# Altium PCB LimeSDR_Mini_1v0_Rounded.PcbDoc (part 4 of 5)
Units mm, origin at the board's own origin, x right, y up, seen from the top; angles counter-clockwise.
Board outline 69 x 52 mm, 8 copper layers (Top, L2, L3, L4, L5, L6, L7, Bottom), stack 1.555 mm thick; 371 components, 281 nets, 1636 pads, 782 vias.
Unrouted connection lines stored in the file: 12.
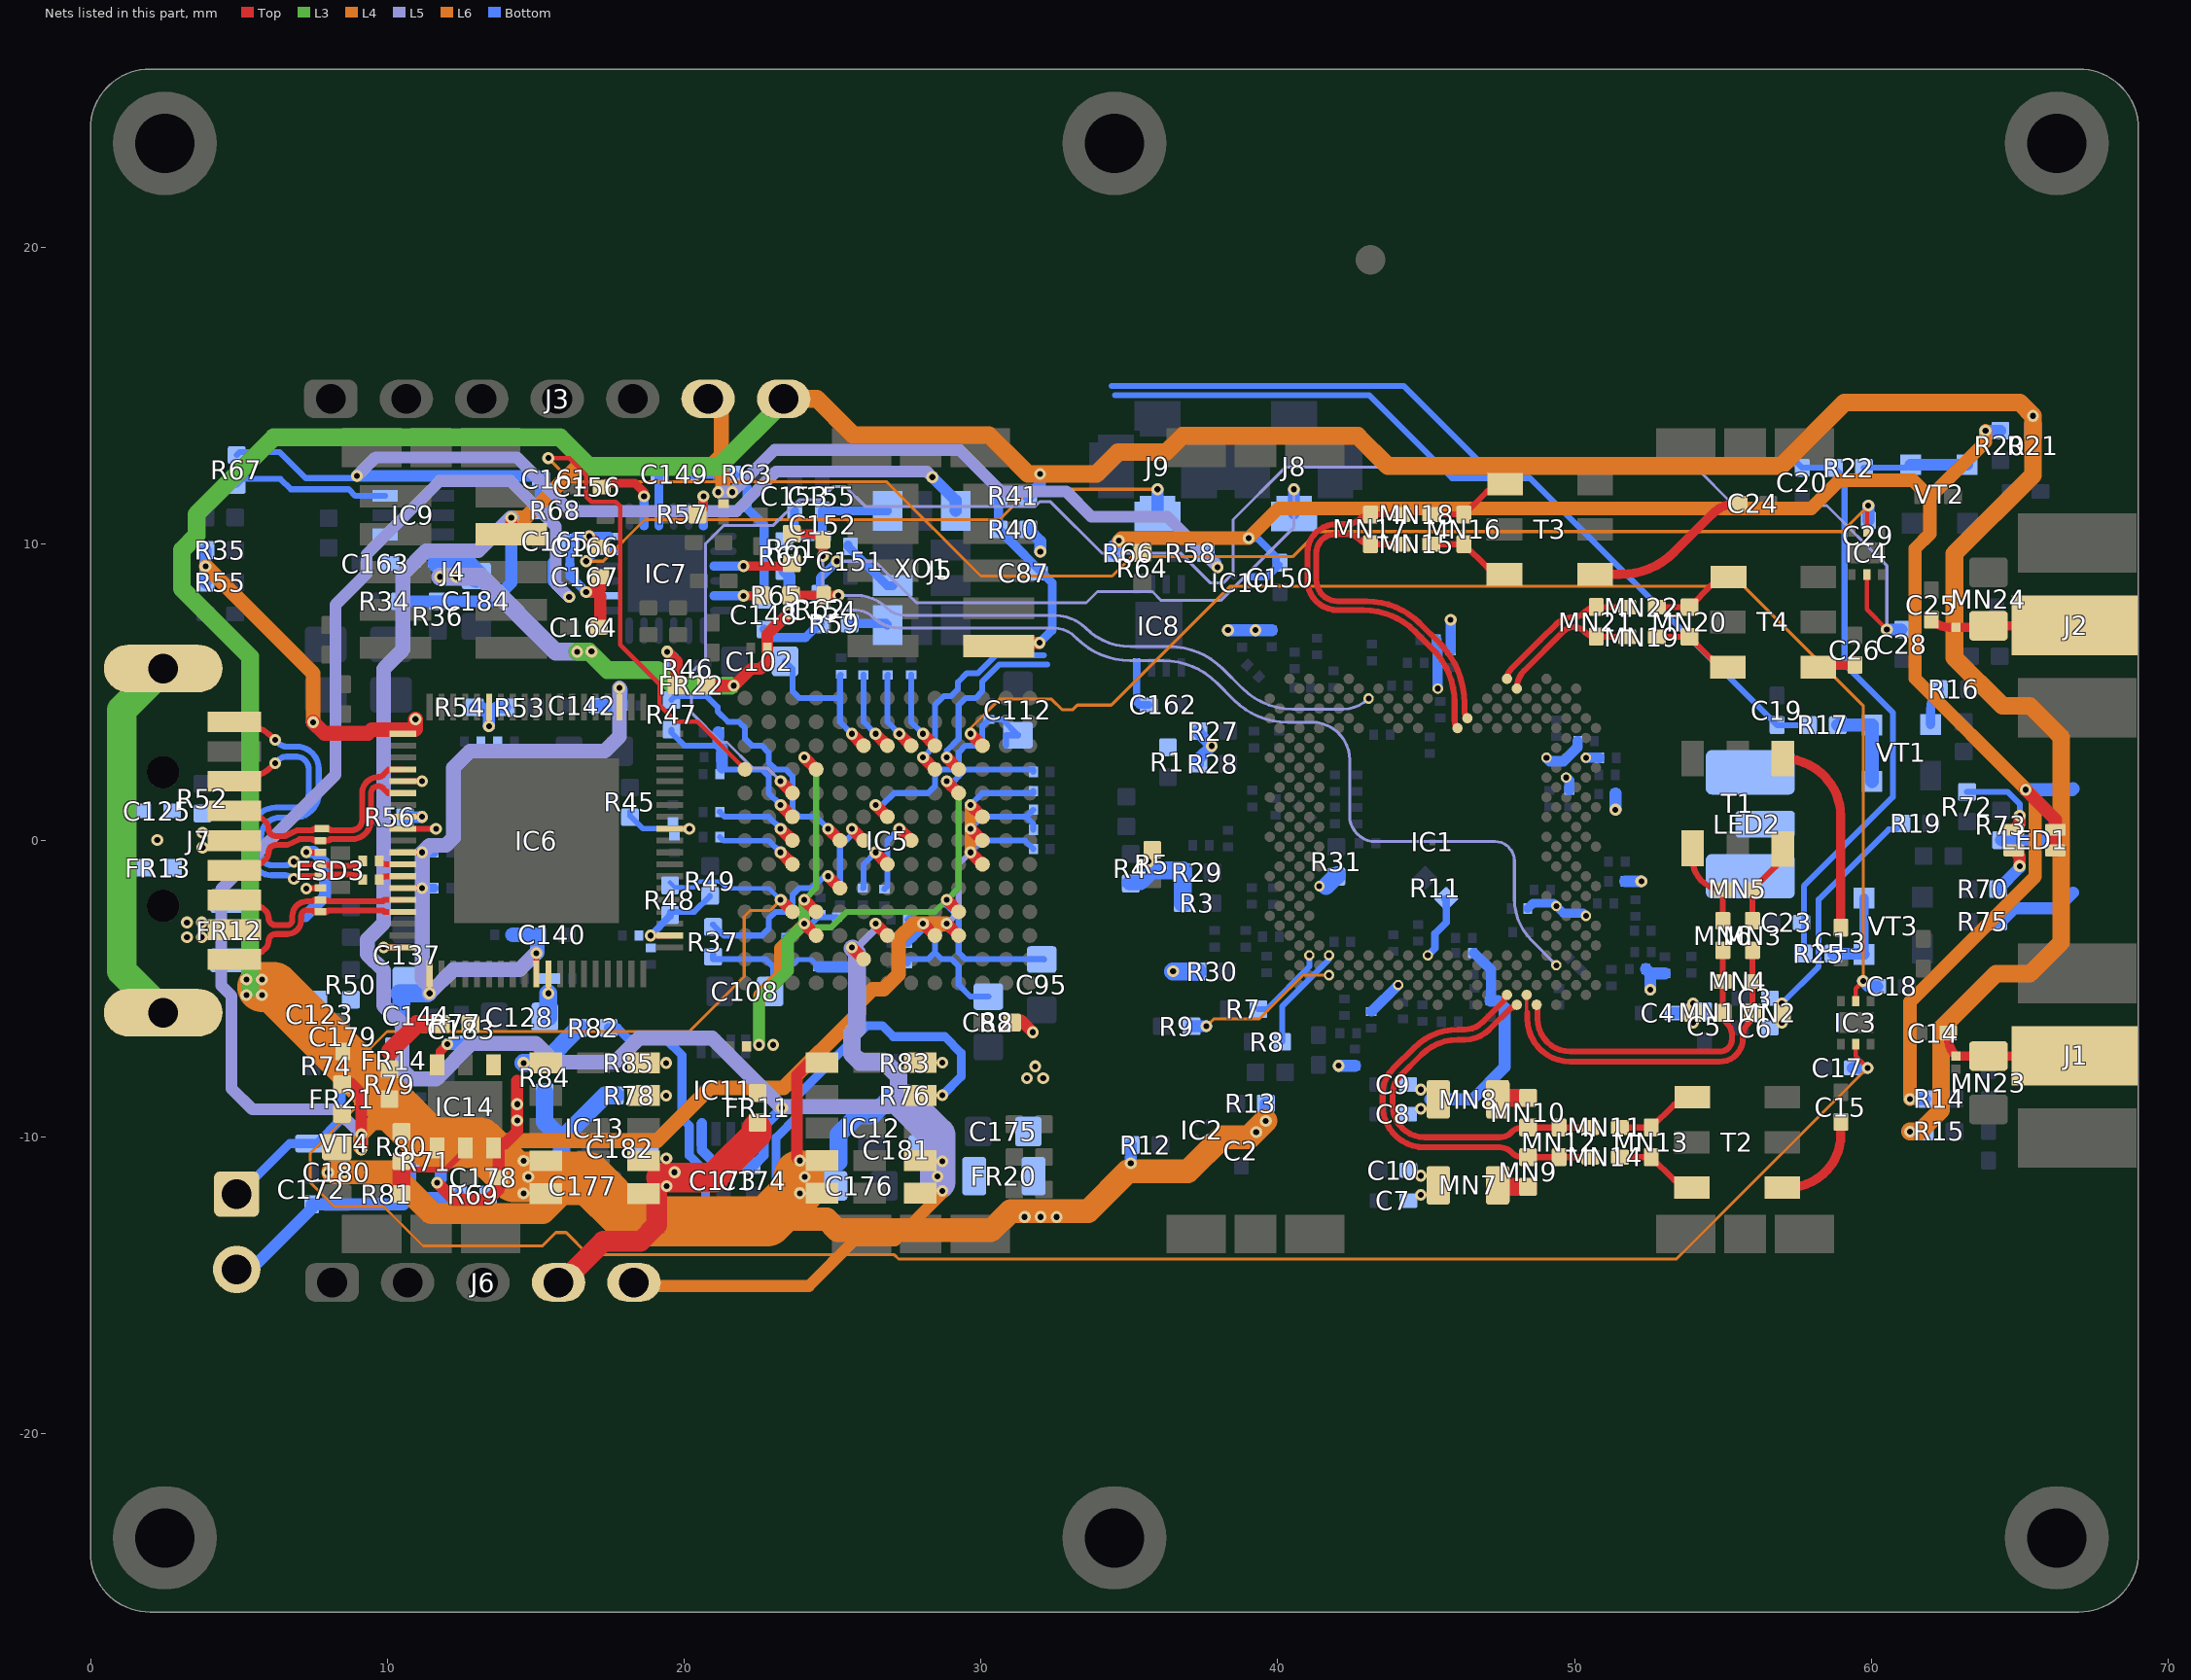
[diagram p10: the nets of this part, all layers, seen from the top]

## Via types
v1: diameter 0.4, hole 0.2, Top to Bottom, tented both sides, 548 vias
v2: diameter 0.4, hole 0.2, Top to Bottom, tented top, 113 vias
v3: diameter 0.35, hole 0.2, Top to Bottom, tented top, 87 vias
v4: diameter 0.5, hole 0.2, Top to Bottom, 25 vias
v5: diameter 0.5, hole 0.2, Top to Bottom, tented both sides, 8 vias
v6: diameter 0.35, hole 0.2, Top to Bottom, tented both sides, 1 vias

## Nets (pads, with @x,y where several pads share a name; then routed paths per layer and width w, separated by ;. In a path a pad name is that pad's centre, name@x,y a point inside that pad or via, vN(x,y) a via of type N, cw(c..) or ccw(c..) an arc to the next point about the centre after c; other vN are vias at no path point) (continued)
NetC81_1: C81.1 IC1.K2 IC1.L5 | length 2.2
  Bottom w0.3: C81.1@48.431,-2.289 48.608,-2.112 49.297,-2.112 49.63,-2.445 50.296,-2.445 v3(50.388,-2.537)
  other v3: 49.389,-2.204
NetC82_1: C82.1 IC1.C21 | length 1.3
  Bottom w0.35: C82.1@43.15,-5.76 43.169,-5.76 v3(44.061,-4.868)
NetC83_1: C83.1 IC1.AF6 | length 1.5
  Bottom w0.35: v3(49.056,2.791) 49.173,2.674 49.635,2.674 50.108,3.147 C83.1@50.108,3.357
NetC84_1: C84.1 IC1.AF2 | length 0.5
  Bottom w0.35: v3(50.388,2.791) 50.844,2.791 C84.1@50.845,2.79
NetC85_1: C85.1 IC1.AD4 | length 0.5
  Bottom w0.35: v3(49.722,2.125) 49.825,2.022 C85.1@49.825,1.695
NetC86_1: C86.1 IC1.AN17 | length 1.6
  Bottom w0.34: C86.1@45.351,6.66 C86.1@45.351,6.768 ; C86.1@45.381,6.605 45.381,5.134 v3(45.393,5.122)
NetC87_2: C87.2 J5.10 R40.2 R41.2 | length 7.3
  Top w0.4: J5.10@30.6,6.515 30.75,6.665 v1(31.975,6.665)
  Bottom w0.3: R41.2@30.594,11.606 30.594,10.496 R40.2@30.6,10.49 32.4,8.69 32.4,7.09 v1(31.975,6.665)
NetC125_1: C125.1 FR13.2 J7.10 | length 12.8
  L3 w1: J7.10@2.45,-5.8 1.05,-4.4 1.05,4.4 J7.10@2.45,5.8
NetC148_1: C148.1 C149.2 R63.2 | length 6.1
  Bottom w0.309: C149.2@20.175,12.34 R63.2@21.625,12.34 21.668,12.34 22.125,11.883 22.125,11.19 22.7,10.615 C148.1@22.7,8.115
NetC148_2: C148.2 R59.2 R62.2 | length 2.2
  Bottom w0.309: C148.2@22.7,7.115 22.975,6.84 24.09,6.84 24.568,7.318 R62.2@24.588,7.318
NetC149_1: C149.1 IC7.21 | length 1.8
  Bottom w0.3: IC7.21@19.15,10.6 IC7.21@19.15,10.925 19.15,12.315 C149.1@19.175,12.34
NetC151_2: C151.2 XO1.7 | length 2.1
  Bottom w0.3: C151.2@25.525,9.965 25.525,9.911 26.846,8.59 XO1.7@27.025,8.59
NetC153_2: C153.2 FR15.1 R60.1 | length 1.4
  Bottom w0.3: C153.2@23.725,11.115 23.725,10.265 FR15.1@24.245,10.265
NetC155_2: C155.2 FR15.2 XO1.9 | length 3.1
  Bottom w0.3: FR15.2@24.805,10.265 24.65,10.42 C155.2@24.65,11.115 XO1.9@26.85,11.115
NetC156_2: C156.2 IC7.20 | length 2.7
  Top w0.3: C156.2@17.225,11.915 17.36,12.05 18.336,12.05 18.65,11.736 v1(18.65,11.6)
  Bottom w0.3: IC7.20@18.65,10.6 IC7.20@18.65,10.925 v1(18.65,11.6)
NetC163_1: C163.1 FR17.2 IC9.4
NetC172_1: C172.1 J10.2 R69.2 R71.2 | length 9.8
  Bottom w0.4: J10.2@4.925,-14.455 5.403,-14.455 7.45,-12.408 C172.1@7.45,-12.26 10.545,-12.26 10.77,-12.035 ; R71.2@10.8,-10.835 10.77,-10.865 10.77,-12.035 ; R69.2@12.4,-11.935 12.3,-12.035 10.77,-12.035
NetC183_2: C183.2 IC14.3 | length 1.3
  Top w0.3: IC14.3@11.675,-7.56 11.775,-7.46 11.775,-7.11 v1(12.025,-6.86)
  Bottom w0.4: v1(12.025,-6.86) C183.2@12.5,-6.86
NetIC1_D28: IC1.D28 R9.1 | length 5.3
  L4 w0.1: v1(37.6,-6.257) 37.847,-6.01 39.375,-6.01 40.85,-4.535 v3(41.73,-4.535)
  Bottom w0.4: R9.1@37.1,-6.257 v1(37.6,-6.257)
NetIC1_F18: IC1.F18 R11.1 | length 2.2
  Bottom w0.25: v3(45.06,-3.869) 45.298,-3.631 45.298,-3.134 45.681,-2.751 45.681,-2.019 R11.1@45.63,-1.967
NetIC1_F28: IC1.F28 R8.1 | length 3.6
  Bottom w0.2: R8.1@40.15,-6.782 40.15,-5.585 41.73,-4.005 v3(41.73,-3.869)
NetIC1_F30: IC1.F30 R7.1 | length 2.7
  Bottom w0.2: R7.1@39.35,-5.682 39.628,-5.682 41.064,-4.246 v3(41.064,-3.869)
NetIC5_E5: IC5.E5 R37.2 | length 5.8
  Top w0.4: v2(24.85,-1.2) IC5.E5@25.25,-1.6
  Bottom w0.2: R37.2@20.975,-2.835 21.34,-3.2 22.616,-3.2 22.85,-2.966 22.85,-2.634 23.084,-2.4 23.416,-2.4 23.65,-2.166 23.65,-1.834 23.884,-1.6 24.322,-1.6 24.722,-1.2 v2(24.85,-1.2)
NetIC5_E7: IC5.E7 R47.2 | length 8.9
  Top w0.4: v2(24.85,0.4) IC5.E7@25.25,0
  Bottom w0.2: R47.2@19.575,4.74 19.7,4.865 20.766,4.865 21.125,4.506 21.125,4.359 21.484,4 21.84,4 22.05,3.79 22.05,3.434 22.284,3.2 22.616,3.2 22.85,2.966 22.85,2.634 23.084,2.4 23.416,2.4 23.65,2.166 23.65,1.034 23.884,0.8 24.45,0.8 v2(24.85,0.4)
NetIC6_27: IC6.27 R56.2 | length 1.2
  Top w0.2: IC6.27@10.525,0.8 v1(11.175,0.8)
  Bottom w0.4: R56.2@10.6,0.79 11.165,0.79 v1(11.175,0.8)
NetIC7_3: IC7.3 R61.2 | length 2.6
  Top w0.3: v1(22,9.25) 23.408,9.25 ccw(c23.408,9.557) R61.2@23.625,9.34
  Bottom w0.3: IC7.3@21,9.25 IC7.3@21.325,9.25 v1(22,9.25)
NetIC7_5: IC7.5 R65.2 | length 1.6
  Top w0.309: v1(22,8.25) 22.564,8.25 ccw(c22.564,8.301) R65.2@22.6,8.265
  Bottom w0.3: IC7.5@21,8.25 IC7.5@21.325,8.25 v1(22,8.25)
NetIC7_24: IC7.24 R57.1 | length 1.7
  Top w0.3: R57.1@20.45,10.99 20.65,11.19 v1(20.65,11.6)
  Bottom w0.3: IC7.24@20.65,10.6 IC7.24@20.65,10.925 v1(20.65,11.6)
NetIC9_6: IC9.6 R67.2 | length 5.3
  Bottom w0.2: R67.2@4.925,11.99 5.125,12.19 6.4,12.19 6.75,11.84 8.7,11.84 8.925,11.615 IC9.6@9.925,11.615
NetIC12_11: IC12.11 R83.2
  other v1: 28.701,-7.485
NetIC13_1: IC13.1 R82.1 R84.2 | length 2.4
  Bottom w0.6: v1(14.588,-7.495) 15.265,-7.495 R82.1@16.45,-6.31
NetIC13_10: IC13.10 R78.1
  other v1: 19.39,-8.595
NetIC13_11: IC13.11 R85.2
  other v1: 19.39,-7.495
NetIC14_4: IC14.4 R79.1 R80.2
NetIC14_5: IC14.5 R80.1 R81.1 | length 3.5
  Top w0.2: R80.1@10.6,-11.085 11.984,-11.085 12.625,-10.444 IC14.5@12.625,-10.36
  Top w0.6: R81.1@10.475,-11.91 R80.1@10.475,-10.81
NetJ7_7: J7.7 R52.2
  other v1: 3.775,-0.235 3.775,0.265
NetJ10_1: J10.1 R74.2 VT4.D | length 6.3
  Bottom w0.3: J10.1@4.925,-11.915 5.006,-11.915 6.711,-10.21 VT4.D@7.4,-10.21 7.625,-10.21 8.45,-9.385 R74.2@8.45,-7.61
NetLED1_3: LED1.3 R70.1 | length 1.7
  Top w0.4: LED1.3@64.8,-0.335 65,-0.535 v1(65,-0.86)
  Bottom w0.4: R70.1@64.275,-1.635 65,-0.91 v1(65,-0.86)
NetLED1_4: LED1.4 R72.1 | length 2.9
  Top w0.4: LED1.4@64.8,0.365 65,0.565 v1(65,0.84)
  Bottom w0.2: R72.1@63.225,1.64 64.598,1.64 65,1.238 v1(65,0.84)
NetLED2_C1: LED2.C1 R75.1 | length 3.1
  Bottom w0.4: R75.1@64.15,-2.735 64.375,-2.735 64.825,-2.285 66.265,-2.285 66.8,-1.75
NetLED2_C2: LED2.C2 R73.1 | length 1.9
  Bottom w0.4: R73.1@64.375,0.015 64.39,0 66.3,0
NetMN7_1: MN7.1 MN9.2 | length 1
  Top w0.6: MN7.1@47.412,-11.618 47.464,-11.67 MN9.2@48.435,-11.67
NetMN8_1: MN8.1 MN10.2 | length 1
  Top w0.6: MN8.1@47.412,-8.718 47.46,-8.67 MN10.2@48.435,-8.67
NetR16_2: R16.2 VT1.2 | length 1.3
  Bottom w0.309: VT1.2@62,3.915 62,4.408 cw(c62.982,4.408) R16.2@62.287,5.102
NetR17_1: R17.1 VT1.3 VT1.4 | length 3
  Bottom w0.45: R17.1@58.875,3.89 VT1.3@60.025,3.89 VT1.4@60.025,1.99
NetR22_2: R22.2 VT2.3 VT2.4 | length 3.5
  Bottom w0.2: R22.2@59.75,12.565 61.225,12.565 VT2.4@61.325,12.665
  Bottom w0.4: VT2.4@61.325,12.665 VT2.3@63.225,12.665
NetR25_1: R25.1 VT3.3 VT3.4 | length 2.9
  Bottom w0.309: VT3.4@59.75,-3.835 VT3.3@59.75,-1.935
  Bottom w0.4: R25.1@58.725,-3.81 59.725,-3.81 VT3.4@59.75,-3.835
NetR59_1: R59.1 XO1.6 | length 1.3
  Bottom w0.309: R59.1@25.575,7.315 26.8,7.315 XO1.6@26.85,7.265
PG_VCC1P8: IC12.10 R76.1 R82.2 | length 23.3
  Bottom w0.3: R82.2@17.45,-6.31 17.75,-6.31 18.125,-6.685 19.375,-6.685 19.925,-7.235 19.925,-9.36 20.175,-9.61 20.175,-9.91 20.175,-10.611 20.725,-11.161 20.725,-12.234 21.076,-12.585 22.574,-12.585 23.1,-12.059 23.1,-10.01 23.825,-9.285 23.825,-8.585 26.175,-6.235 26.676,-6.235 27.051,-6.61 28.787,-6.61 29.336,-7.159 29.336,-7.95 v1(28.701,-8.585)
REF_CLK_IN: J8.1 R62.1 | length 20.7
  L5 w0.1: v1(25.15,9.415) 26.425,9.415 27.825,8.015 33.55,8.015 33.925,8.39 35.775,8.39 36.075,8.09 38.075,8.09 40.55,10.565 v1(40.55,11.84)
  Bottom w0.3: R62.1@24.588,8.317 24.588,8.853 v1(25.15,9.415)
  Bottom w0.4: J8.1@40.55,11.015 v1(40.55,11.84)
REF_CLK_OUT: IC7.17 J9.1 | length 22
  L6 w0.1: v1(16.7,9.415) 17.275,9.415 18.675,10.815 30.625,10.815 31.65,11.84 v1(35.95,11.84)
  Bottom w0.25: v1(16.7,9.415) 17.035,9.75 IC7.17@17.475,9.75
  Bottom w0.4: J9.1@35.95,11.015 v1(35.95,11.84)
RFSW_RX_V1: C29.2 IC4.5 IC5.A10 | length 63
  Top w0.15: v1(15.425,12.89) 16.125,12.89 16.7,12.315 16.7,11.59 16.875,11.415 17.7,11.415 17.85,11.265 17.85,6.6 19.175,5.275 19.175,4.565 19.725,4.015 20.435,4.015 IC5.A10@22.05,2.4 ; IC4.5@59.85,10.415 v1@59.85,11.29
  L4 w0.1: v1(15.425,12.89) 16.225,12.09 26.825,12.09 30,8.915 34.425,8.915 35.075,9.565 40.5,9.565 41.35,10.415 59.025,10.415 v1(59.9,11.29)
  Bottom w0.4: C29.2@59.9,10.79 v1(59.9,11.29)
RFSW_RX_V2: C28.2 IC4.2 IC5.C9 | length 61.3
  Top w0.15: IC4.2@59.85,8.965 59.85,7.79 v1(60.525,7.115)
  Top w0.4: v2(23.25,2) IC5.C9@23.65,1.6
  L5 w0.1: v2(23.25,2) 22.81,2.44 22.315,2.44 21.44,3.315 21.24,3.315 20.25,4.305 20.25,5.67 20.725,6.145 20.725,10.015 21.325,10.615 22.992,10.615 23.867,11.49 24.59,11.49 25.025,11.925 25.44,11.925 26.1,11.265 31.825,11.265 31.975,11.415 32.35,11.415 34.075,9.69 36.72,9.69 37.72,8.69 38.175,8.69 38.5,9.015 38.5,10.815 40.275,12.59 54.075,12.59 55.375,11.29 58.5,11.29 60.525,9.265 v1(60.525,7.115)
  Bottom w0.4: v1(60.525,7.115) C28.2@61.025,7.115
RFSW_TX_V1: C18.2 IC3.5 IC5.L11 | length 45.4
  Top w0.15: IC3.5@59.475,-5.41 59.475,-4.985 v1(59.725,-4.735)
  Top w0.4: v2(29.65,3.6) IC5.L11@30.05,3.2
  L4 w0.1: v2(29.65,3.6) 29.65,3.79 30.625,4.765 32.38,4.765 32.73,4.415 33.1,4.415 33.25,4.565 34.391,4.565 38.391,8.565 55.709,8.565 59.725,4.549 v1(59.725,-4.735)
  Bottom w0.4: v1(59.725,-4.735) 59.9,-4.91 C18.2@60.2,-4.91
RFSW_TX_V2: C17.2 IC3.2 IC5.C4 R48.2 | length 85.2
  Top w0.15: IC3.2@59.475,-6.86 59.475,-7.26 v1(59.875,-7.66)
  Top w0.4: v2(23.25,-2) IC5.C4@23.65,-2.4
  L6 w0.1: v2(23.25,-2) 22.89,-2.36 22.225,-2.36 22.025,-2.56 22.025,-4.585 20.175,-6.435 9.991,-6.435 8.925,-7.501 8.925,-9.01 7.4,-10.535 7.4,-11.519 8.216,-12.335 9.875,-12.335 11.2,-13.66 15.225,-13.66 15.675,-13.21 16.025,-13.21 16.775,-13.96 27.085,-13.96 27.225,-14.1 53.435,-14.1 v1(59.875,-7.66)
  Bottom w0.15: R48.2@19.525,-1.41 19.69,-1.575 20.33,-1.575 20.52,-1.385 21.212,-1.385 21.437,-1.61 22.86,-1.61 v2(23.25,-2)
  Bottom w0.4: C17.2@59.375,-7.66 v1(59.875,-7.66)
RX: C25.2 ESD2.1 J2.1 MN24.1 | length 4.9
  Top w0.309: C25.2@62.025,7.44 62.028,7.437 ccw(c62.625,8.035) 62.625,7.19 ESD2.1@62.85,7.19 63.829,7.19 ccw(c63.829,7.361) MN24.1@63.95,7.24 66.815,7.24 ccw(c66.815,7.283) J2.1@66.845,7.252
RX1_H: C24.2 T3.4 | length 5.7
  Top w0.309: T3.4@50.69,8.97 51.553,8.97 ccw(c51.553,11.51) 53.349,9.714 54.629,10.994 cw(c55.525,10.098) C24.2@55.525,11.365
RX1_H_A_N: IC1.AJ15 MN17.1 MN18.2 | length 12.9
  Top w0.2: MN17.1@43.132,10.99 MN17.1@43.125,10.99 ; MN18.2@44.175,10.99 MN17.1@43.125,10.99 ; IC1.AJ15@46.059,3.79 cw(c46.3,4.031) 45.959,4.031 45.959,4.656 ccw(c43.394,4.656) 45.208,6.47 44.636,7.042 ccw(c42.89,5.295) 42.89,7.765 42.025,7.765 cw(c42.025,8.79) 41,8.79 41,9.69 cw(c41.97,9.69) 41.97,10.66 42.328,10.66 ccw(c42.328,11.279) 42.766,10.841 cw(c43.125,10.482) MN17.1@43.125,10.99
RX1_H_A_P: IC1.AK14 MN15.2 MN17.2 | length 12
  Top w0.2: MN15.2@44.175,9.99 MN17.2@43.125,9.99 cw(c43.125,10.498) 42.766,10.139 ccw(c42.328,9.701) 42.328,10.32 41.93,10.32 ccw(c41.93,9.69) 41.3,9.69 41.3,8.79 ccw(c42.025,8.79) 42.025,8.065 42.999,8.065 cw(c42.999,5.544) 44.782,7.327 45.448,6.66 cw(c43.411,4.623) 46.292,4.623 46.292,4.54 46.292,4.364 ccw(c46.633,4.364) IC1.AK14@46.392,4.123
RX1_H_B_N: MN16.1 MN18.1 T3.2 | length 2.8
  Top w0.2: MN18.1@45.175,10.99 MN16.1@46.225,10.99 ; MN16.1@46.275,10.99 47.033,11.748 cw(c47.665,11.117) T3.2@47.665,12.01
RX1_H_B_P: MN15.1 MN16.2 T3.1 | length 2.8
  Top w0.2: MN15.1@45.175,9.99 45.575,9.99 MN16.2@46.225,9.99 ; MN16.2@46.275,9.99 47.051,9.214 ccw(c47.64,9.803) T3.1@47.64,8.97
RX1_W: C26.2 T4.4 | length 1.3
  Top w0.309: T4.4@58.225,5.821 ccw(c58.191,5.821) T4.4@58.215,5.845 cw(c58.384,5.676) 58.384,5.915 C26.2@59.45,5.915
RX2_W_A_N: IC1.AP10 MN21.1 MN22.2 | length 5
  Top w0.2: IC1.AP10@47.739,5.47 IC1.AP10@47.724,5.455 cw(c48.147,5.455) 47.848,5.754 48.85,6.757 49.384,7.291 cw(c49.974,6.701) 49.974,7.535 ccw(c49.974,8.043) 50.333,7.684 ; 50.366,7.716 cw(c50.725,7.357) MN21.1@50.725,7.865 ; MN21.1@50.732,7.865 MN22.2@51.775,7.865
RX2_W_A_P: IC1.AN9 MN19.2 MN21.2 | length 4.8
  Top w0.2: IC1.AN9@48.072,5.137 IC1.AN9@48.057,5.122 cw(c48.928,5.122) 48.312,5.738 49.625,7.05 cw(c49.974,6.701) 49.974,7.195 cw(c49.974,6.687) 50.333,7.046 50.366,7.014 ccw(c50.725,7.373) 50.725,6.865 MN19.2@51.775,6.865
RX2_W_B_N: MN20.1 MN22.1 T4.2 | length 2.8
  Top w0.2: MN22.1@52.775,7.865 MN20.1@53.825,7.865 ; MN20.1@53.875,7.865 54.633,8.623 cw(c55.265,7.992) T4.2@55.265,8.885
RX2_W_B_P: MN19.1 MN20.2 T4.1 | length 3.2
  Top w0.2: MN19.1@52.775,6.865 53.175,6.865 MN20.2@53.825,6.865 ; MN20.2@53.875,6.865 54.633,6.107 ccw(c55.265,6.738) T4.1@55.265,5.845 ; T4.1@54.87,5.845 T4.1@55.215,5.845
RXPLL_CLK: C154.2 IC1.AM24 R65.1 | length 20.7
  Top w0.309: R65.1@23.6,8.265 C154.2@24.717,8.265 ; C154.2@24.7,8.265 v1(25.2,8.265)
  L5 w0.1: v1(25.2,8.265) 25.799,8.265 cw(c25.799,6.814) 26.825,7.84 ccw(c27.429,8.444) 27.429,7.59 32.499,7.59 cw(c32.499,6.139) 33.525,7.165 ccw(c35.034,8.674) 35.034,6.54 36.348,6.54 cw(c36.348,4) 38.144,5.796 38.806,5.134 ccw(c40.504,6.832) 40.504,4.431 42.203,4.431 ccw(c42.203,5.639) v3@43.057,4.784
  other v3: 43.062,4.789
TCXO_VC: C161.2 R67.1 R68.1 XO1.1 | length 34.3
  L5 w0.4: v1(8.975,12.29) 9.6,12.915 14.363,12.915 16.178,11.1 21.76,11.1 23.1,12.44 28.175,12.44 v1(28.365,12.25)
  Bottom w0.2: R67.1@4.925,12.99 5.025,13.09 6.375,13.09 7.25,12.215 8.9,12.215 v1(8.975,12.29)
  Bottom w0.4: v1(8.975,12.29) 15.075,12.29 C161.2@15.175,12.19 R68.1@15.175,11.14 ; v1(28.365,12.25) 29.15,11.465 XO1.1@29.15,11.115
TX: C14.2 ESD1.1 J1.1 MN23.1 | length 4.8
  Top w0.309: C14.2@62.6,-6.485 62.6,-6.656 ccw(c63.454,-6.656) ESD1.1@62.85,-7.26 MN23.1@63.95,-7.26 66.815,-7.26 ccw(c66.815,-7.217) J1.1@66.845,-7.248
TX1_1: C13.2 T1.4 | length 6.8
  Top w0.309: T1.4@57.02,2.765 cw(c57.02,0.81) 58.975,0.81 C13.2@58.975,-2.935
TX1_1_A_N: IC1.A7 MN1.1 MN4.1 MN6.2 | length 11.1
  Top w0.2: IC1.A7@48.723,-5.584 48.757,-5.618 48.757,-6.01 ccw(c49.857,-6.01) 49.857,-7.11 54.9,-7.11 ccw(c54.9,-6.706) 55.304,-6.706 55.304,-6.539 ccw(c54.796,-6.539) 55.155,-6.18 ; IC1.A7@48.723,-5.534 IC1.A7@48.758,-5.569 ; MN1.1@55,-5.99 55,-5.808 MN4.1@55,-4.75 MN6.2@55,-3.7 ; MN1.1@55.001,-5.815 ccw(c55.509,-5.815) 55.149,-6.175
TX1_1_A_P: IC1.B8 MN2.1 MN3.1 MN4.2 | length 12.3
  Top w0.11: 48.39,-5.769 48.39,-5.557 IC1.B8@48.39,-5.201
  Top w0.2: 48.414,-5.804 48.414,-6.01 ccw(c49.854,-6.01) 49.854,-7.45 54.9,-7.45 ccw(c54.9,-6.679) 55.671,-6.679 55.671,-6.566 cw(c56.179,-6.566) 55.819,-6.207 55.852,-6.175 ccw(c55.493,-5.815) MN2.1@56.001,-5.815 ; MN2.1@56,-5.8 56,-5.4 MN4.2@56,-4.75 MN3.1@56,-3.7
TX1_1_B_N: MN5.2 MN6.1 T1.2 | length 2.7
  Top w0.2: T1.2@53.98,-0.63 ccw(c55,-0.63) MN5.2@55,-1.65 MN6.1@55,-2.7
TX1_1_B_P: MN3.2 MN5.1 T1.1 | length 2.8
  Top w0.2: MN3.2@56,-2.7 MN5.1@56,-1.65 56.776,-0.874 ccw(c56.187,-0.285) T1.1@57.02,-0.285
TX1_2: C15.2 T2.4 | length 3.5
  Top w0.309: T2.4@57.049,-11.71 cw(c57.049,-11.642) T2.4@57,-11.69 57.195,-11.69 ccw(c57.195,-9.91) 58.975,-9.91 C15.2@58.975,-9.485
TX2_1_A_N: IC1.B10 MN9.1 MN12.2 MN14.1 | length 14
  Top w0.2: IC1.B10@47.724,-5.201 47.689,-5.236 ccw(c47.848,-5.394) 47.624,-5.394 46.891,-6.126 cw(c46.303,-5.538) 46.303,-6.37 46.075,-6.37 ccw(c46.075,-8.46) 44.597,-6.982 43.885,-7.695 ccw(c44.729,-8.539) 43.535,-8.539 43.535,-8.925 ccw(c44.95,-8.925) 44.95,-10.34 47.495,-10.34 cw(c47.495,-10.848) 47.854,-10.489 47.886,-10.521 ccw(c48.246,-10.162) 48.246,-10.67 MN9.1@48.435,-10.67 MN12.2@49.485,-10.67 MN14.1@50.535,-10.67
TX2_1_A_P: IC1.A9 MN10.1 MN11.2 MN12.1 | length 13.2
  Top w0.2: IC1.A9@48.057,-5.534 48.022,-5.569 cw(c47.864,-5.411) 47.864,-5.634 47.128,-6.37 cw(c46.308,-5.549) 46.308,-6.71 46.075,-6.71 ccw(c46.075,-8.46) 44.837,-7.223 44.125,-7.935 ccw(c44.729,-8.539) 43.875,-8.539 43.875,-8.925 ccw(c44.95,-8.925) 44.95,-10 47.495,-10 ccw(c47.495,-9.492) 47.854,-9.851 47.886,-9.819 cw(c48.246,-10.178) 48.246,-9.67 MN10.1@48.435,-9.67 48.835,-9.67 MN12.1@49.485,-9.67 MN11.2@50.535,-9.67
TX2_1_B_N: MN13.1 MN14.2 T2.1 | length 3.2
  Top w0.2: MN14.2@51.535,-10.67 51.935,-10.67 MN13.1@52.585,-10.67 53.344,-11.428 ccw(c53.975,-10.797) T2.1@53.975,-11.69 ; T2.1@53.605,-11.69 T2.1@53.95,-11.69
TX2_1_B_P: MN11.1 MN13.2 T2.2 | length 2.8
  Top w0.2: MN11.1@51.535,-9.67 MN13.2@52.585,-9.67 53.344,-8.912 cw(c53.975,-9.543) T2.2@53.975,-8.65
TX_LB_AT: C19.1 IC5.K10 R17.2 | length 34.2
  Top w0.4: v2(28.85,2.8) IC5.K10@29.25,2.4
  Bottom w0.2: v2(28.85,2.8) 28.85,3.034 29.25,3.434 29.25,3.766 29.25,4.566 29.484,4.8 29.816,4.8 30.05,5.034 30.05,5.366 30.624,5.94 32.24,5.94 ; 34.525,15.015 43.075,15.015 45.875,12.215 48.5,12.215 C19.1@56.825,3.89 R17.2@57.875,3.89
TX_LB_SH: C20.1 C23.1 IC5.J10 R22.1 R25.2 | length 50.9
  Top w0.4: v2(28.05,2.8) IC5.J10@28.45,2.4
  Bottom w0.2: v2(28.05,2.8) 28.45,3.2 28.45,4.566 28.749,4.865 28.991,4.865 29.225,5.099 29.225,5.341 29.525,5.641 29.901,5.641 30.5,6.24 32.116,6.24 ; 34.401,15.315 44.25,15.315 46.775,12.79 57.45,12.79 C20.1@57.675,12.565 R22.1@58.75,12.565 59.1,12.215 59.1,5.94 60.725,4.315 60.725,1.465 57.725,-1.535 R25.2@57.725,-3.81